# Altium PCB PCB1.PcbDoc (part 1 of 5)
Units mil, origin at the board's own origin, x right, y up, seen from the top; angles counter-clockwise.
Board outline 6250.19 x 5128.14 mil, 2 copper layers (Top Layer, Bottom Layer); 140 components, 0 nets, 729 pads, 141 vias.
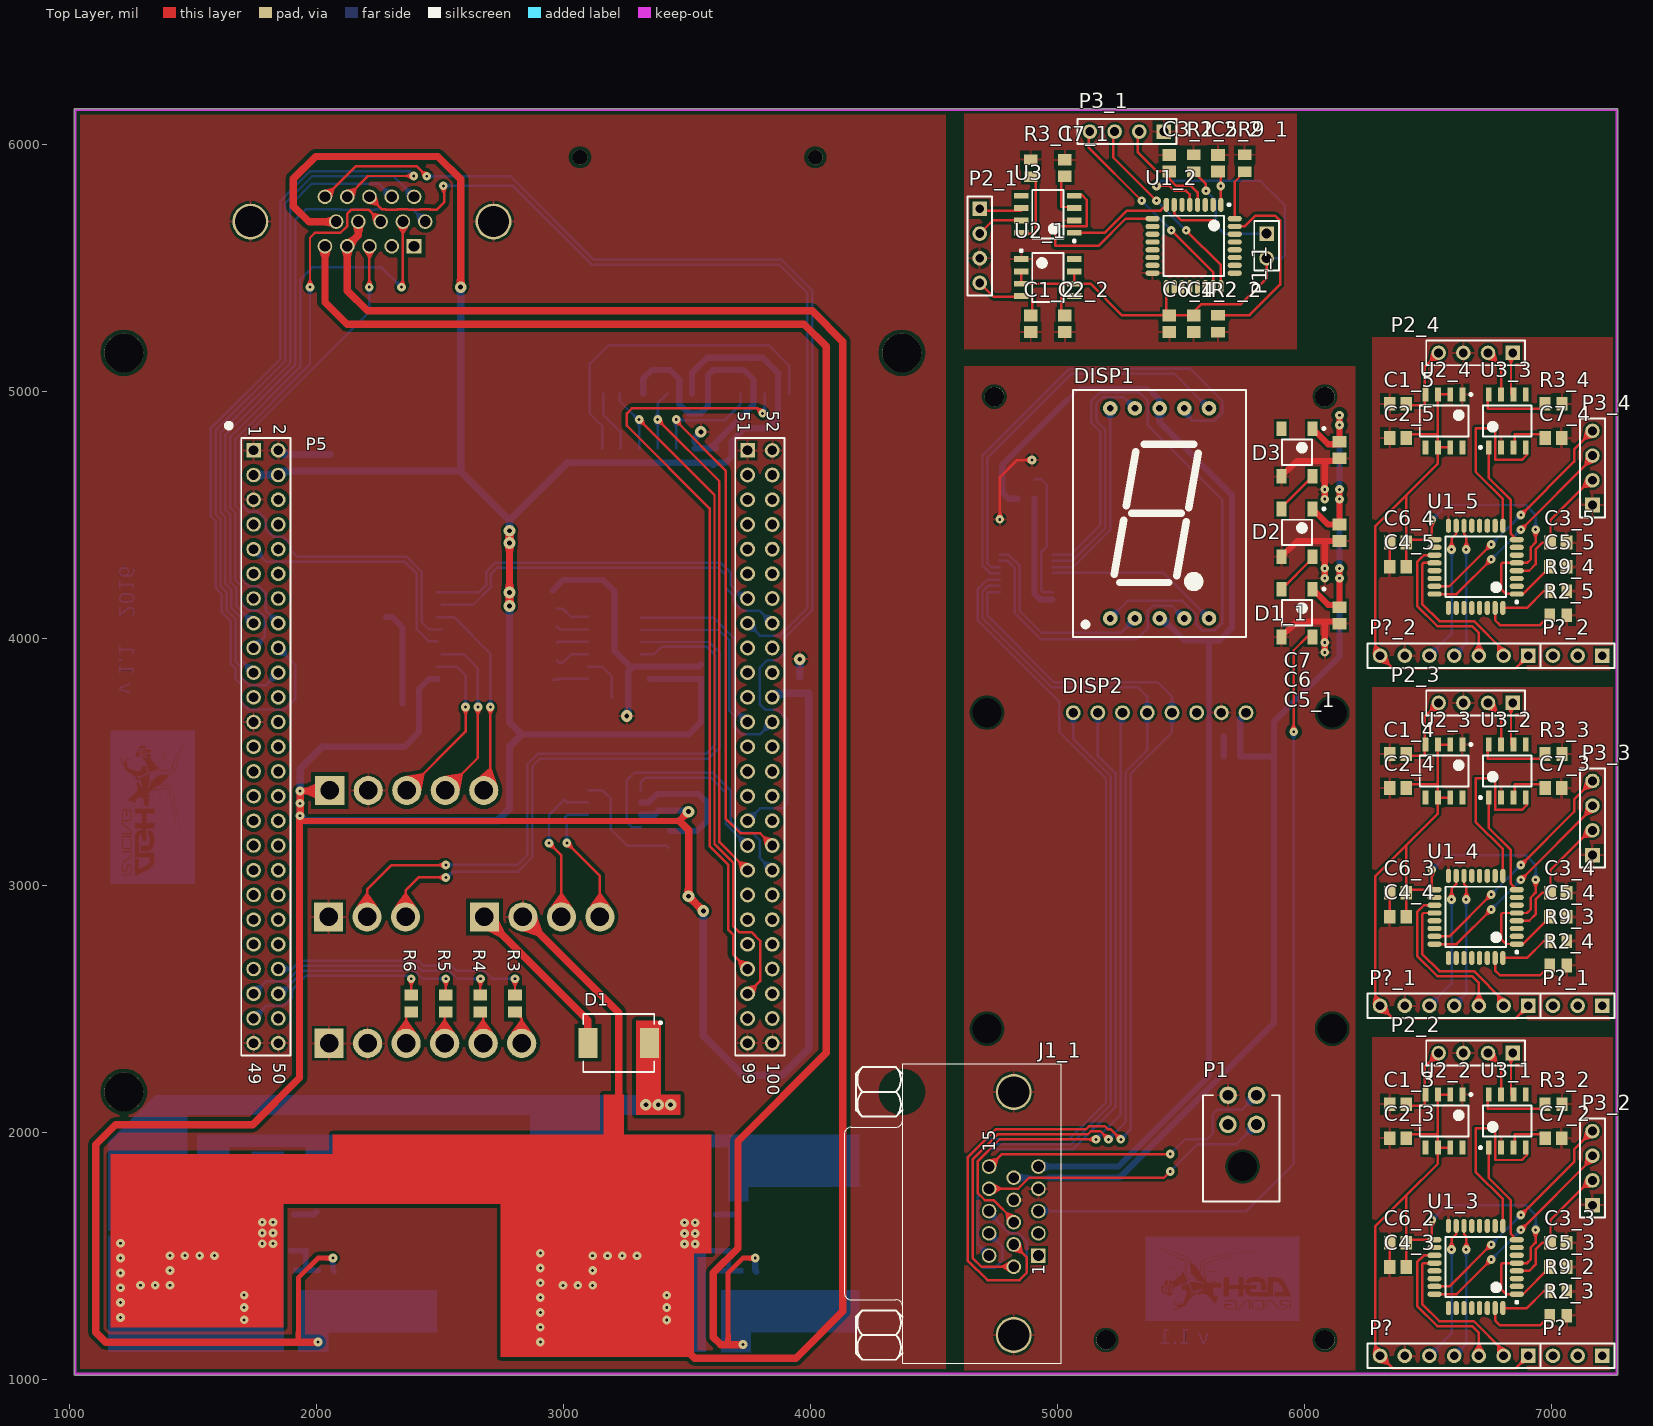
[diagram p0: Top Layer view]
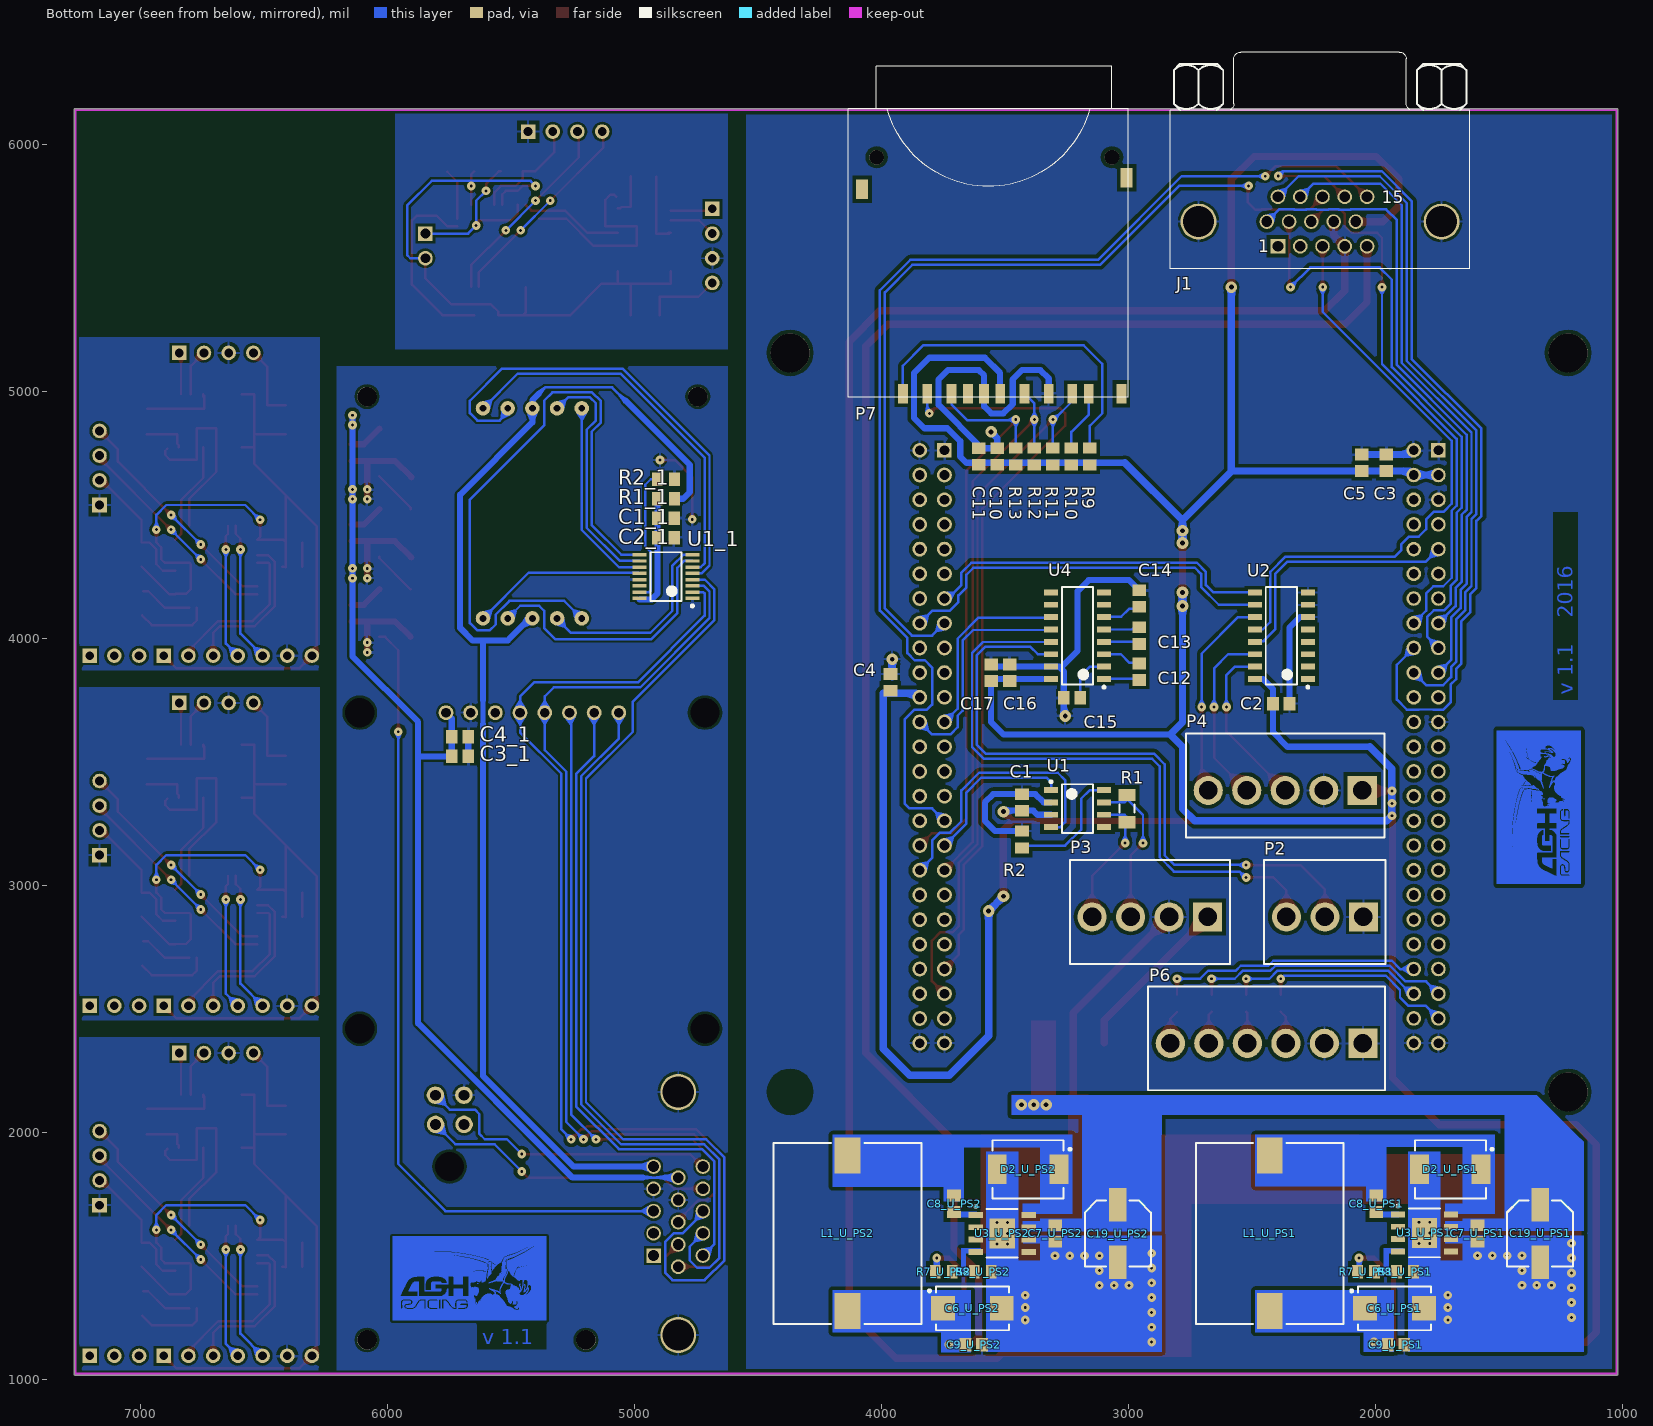
[diagram p1: Bottom Layer view, seen from below]

## Layer stack, top to bottom
Top Solder: solder mask 0.4, Solder Resist, Dk 3.5
Top Layer: signal copper 1.4
Dielectric 1: dielectric 12.6, FR-4, Dk 4.8
Bottom Layer: signal copper 1.4
Bottom Solder: solder mask 0.4, Solder Resist, Dk 3.5

## Board outline
1023.62,1018.61 cw(c1023.62,1023.62) 1018.61,1023.62 1018.61,6141.73 cw(c1023.62,6141.73) 1023.62,6146.75 7263.78,6146.75 cw(c7263.78,6141.73) 7268.79,6141.73 7268.79,1023.62 cw(c7263.78,1023.62) 7263.78,1018.61

## Design rules (kind name [scope] priority, off if disabled: settings)
Clearance [All] p1: gap=10
PolygonConnect [All] p1: connectstyle=Relief reliefconductorwidth=10 reliefentries=4 polygonreliefangle="90 Angle" airgapwidth=10
RoomDefinition U_OLED [InComponentClass('U_OLED')] p1: confinementstyle=ConfineIn formatcopy=TRUE lockcomponents=FALSE outline 4606.3,2204.72 6220.47,2204.72 6220.47,3858.27 4606.3,3858.27
RoomDefinition U_GearDisplay [InComponentClass('U_GearDisplay')] p2: confinementstyle=ConfineIn formatcopy=TRUE lockcomponents=FALSE outline 4622.05,3937.01 5826.77,3937.01 5826.77,5078.74 4622.05,5078.74
RoomDefinition Main [InComponentClass('Main')] p3: confinementstyle=ConfineIn formatcopy=TRUE lockcomponents=FALSE outline 4014.96,1023.62 6101.57,1023.62 6101.57,2352.91 4014.96,2352.91
RoomDefinition U_RGB [InComponentClass('U_RGB')] p4: confinementstyle=ConfineIn formatcopy=TRUE lockcomponents=FALSE outline 6201.93,3866.14 6201.93,5007.52 5846.46,5007.52 5846.46,3866.14
RoomDefinition U_Discovery [InComponentClass('U_Discovery')] p5: confinementstyle=ConfineIn formatcopy=TRUE lockcomponents=FALSE outline 1417.32,2047.24 4173.23,2047.24 4173.23,6181.1 1417.32,6181.1
RoutingVias [All] p1: holewidth=28 width=50 viastyle="Through Hole" minholewidth=28 minwidth=50 maxholewidth=28 maxwidth=50
SolderMaskExpansion [All] p1: expansion=4
Width [All] p1: maxlimit=10 minlimit=10 preferedwidth=10
30 further rules are at their usual default settings.

## Components (designator, comment, footprint, x,y, rotation, side; value= is the part's Value field where it differs from the comment)
C1 "Cap" CAP_0805_IPC_MD 3431.3,3337.6 r270 bottom
C1_1 "Cap" CAP_0805_IPC_MD 4872.83,4488.19 r0 bottom (schematic designator C1)
C1_2 "Cap" CAP_0805_IPC_MD 4891.73,5275.59 r90 top (schematic designator C1)
C1_3 "Cap" CAP_0805_IPC_MD 6377.95,2116.14 r0 top (schematic designator C1)
C1_4 "Cap" CAP_0805_IPC_MD 6377.95,3533.46 r0 top (schematic designator C1)
C1_5 "Cap" CAP_0805_IPC_MD 6377.95,4950.79 r0 top (schematic designator C1)
C2 "Cap" CAP_0805_IPC_MD 2381.3,3737.6 r0 bottom
C2_1 "Cap" CAP_0805_IPC_MD 4872.83,4409.45 r0 bottom (schematic designator C2)
C2_2 "Cap" CAP_0805_IPC_MD 5029.53,5275.59 r90 top (schematic designator C2)
C2_3 "Cap" CAP_0805_IPC_MD 6377.95,1978.35 r0 top (schematic designator C2)
C2_4 "Cap" CAP_0805_IPC_MD 6377.95,3395.67 r0 top (schematic designator C2)
C2_5 "Cap" CAP_0805_IPC_MD 6377.95,4812.99 r0 top (schematic designator C2)
C3 "Cap" CAP_0805_IPC_MD 1956.3,4712.6 r270 bottom
C3_1 "Cap" CAP_0805_IPC_MD 5706.3,3523.62 r0 bottom (schematic designator C3)
C3_2 "Cap" CAP_0805_IPC_MD 5452.76,5925.2 r270 top (schematic designator C3)
C3_3 "Cap" CAP_0805_IPC_MD 7027.56,1555.12 r180 top (schematic designator C3)
C3_4 "Cap" CAP_0805_IPC_MD 7027.56,2972.44 r180 top (schematic designator C3)
C3_5 "Cap" CAP_0805_IPC_MD 7027.56,4389.76 r180 top (schematic designator C3)
C4 "Cap" CAP_0805_IPC_MD 3963.62,3823.62 r270 bottom
C4_1 "Cap" CAP_0805_IPC_MD 5706.3,3603.62 r0 bottom (schematic designator C4)
C4_2 "Cap" CAP_0805_IPC_MD 5551.18,5275.59 r90 top (schematic designator C4)
C4_3 "Cap" CAP_0805_IPC_MD 6377.95,1456.69 r0 top (schematic designator C4)
C4_4 "Cap" CAP_0805_IPC_MD 6377.95,2874.02 r0 top (schematic designator C4)
C4_5 "Cap" CAP_0805_IPC_MD 6377.95,4291.34 r0 top (schematic designator C4)
C5 "Cap" CAP_0805_IPC_MD 2056.3,4712.6 r270 bottom
C5_1 "Cap" CAP_0805_IPC_MD 6141.73,4094.49 r90 top locked (schematic designator C5)
C5_2 "Cap" CAP_0805_IPC_MD 5649.61,5925.2 r270 top (schematic designator C5)
C5_3 "Cap" CAP_0805_IPC_MD 7027.56,1456.69 r180 top (schematic designator C5)
C5_4 "Cap" CAP_0805_IPC_MD 7027.56,2874.02 r180 top (schematic designator C5)
C5_5 "Cap" CAP_0805_IPC_MD 7027.56,4291.34 r180 top (schematic designator C5)
C6 "Cap" CAP_0805_IPC_MD 6141.73,4429.13 r90 top locked
C6_1 "Cap" CAP_0805_IPC_MD 5452.76,5275.59 r90 top (schematic designator C6)
C6_2 "Cap" CAP_0805_IPC_MD 6377.95,1555.12 r0 top (schematic designator C6)
C6_3 "Cap" CAP_0805_IPC_MD 6377.95,2972.44 r0 top (schematic designator C6)
C6_4 "Cap" CAP_0805_IPC_MD 6377.95,4389.76 r0 top (schematic designator C6)
C6_U_PS1 "Cap Pol" CAP_SMD_D_IPC_MD 1923.11,1289.12 r180 bottom (schematic designator C6)
C6_U_PS2 "Cap Pol" CAP_SMD_D_IPC_MD 3632.32,1289.12 r180 bottom (schematic designator C6)
C7 "Cap" CAP_0805_IPC_MD 6141.73,4763.78 r90 top locked
C7_1 "Cap" CAP_0805_IPC_MD 5029.53,5905.51 r270 top (schematic designator C7)
C7_2 "Cap" CAP_0805_IPC_MD 7007.87,1978.35 r180 top (schematic designator C7)
C7_3 "Cap" CAP_0805_IPC_MD 7007.87,3395.67 r180 top (schematic designator C7)
C7_4 "Cap" CAP_0805_IPC_MD 7007.87,4812.99 r180 top (schematic designator C7)
C7_U_PS1 "Cap" CAP_0805_IPC_MD 1587.09,1592.6 r90 bottom (schematic designator C7)
C7_U_PS2 "Cap" CAP_0805_IPC_MD 3296.3,1592.6 r90 bottom (schematic designator C7)
C8_U_PS1 "Cap" CAP_0805_IPC_MD 1997.09,1712.6 r90 bottom (schematic designator C8)
C8_U_PS2 "Cap" CAP_0805_IPC_MD 3706.3,1712.6 r90 bottom (schematic designator C8)
C9_U_PS1 "Cap" CAP_0805_IPC_MD 1917.09,1141.32 r0 bottom (schematic designator C9)
C9_U_PS2 "Cap" CAP_0805_IPC_MD 3626.3,1141.32 r0 bottom (schematic designator C9)
C10 "Cap" CAP_0805_IPC_MD 3531.3,4737.6 r270 bottom
C11 "Cap" CAP_0805_IPC_MD 3606.3,4737.6 r270 bottom
C12 "Cap" CAP_0805_IPC_MD 2956.3,3866.76 r270 bottom
C13 "Cap" CAP_0805_IPC_MD 2956.3,4012.6 r270 bottom
C14 "Cap" CAP_0805_IPC_MD 2956.3,4162.6 r270 bottom
C15 "Cap" CAP_0805_IPC_MD 3228.35,3761.02 r180 bottom
C16 "Cap" CAP_0805_IPC_MD 3481.3,3862.6 r270 bottom
C17 "Cap" CAP_0805_IPC_MD 3556.3,3862.6 r270 bottom
C19_U_PS1 "Cap Pol" CAPAE7866X80M 1333.73,1592.6 r270 bottom (schematic designator C19)
C19_U_PS2 "Cap Pol" CAPAE7866X80M 3042.94,1592.2 r270 bottom (schematic designator C19)
D1 "SK33" DO214AB_IPC_MD 3223.62,2363.62 r0 top
D1_1 "RGB LED" WS2812B 5969.65,4103.78 r270 top locked (schematic designator D1)
D2 "RGB LED" WS2812B 5969.65,4428.78 r270 top locked
D2_U_PS1 "SK33" DO214AB_IPC_MD 1697.09,1851.66 r180 bottom (schematic designator D2)
D2_U_PS2 "SK33" DO214AB_IPC_MD 3406.3,1851.66 r180 bottom (schematic designator D2)
D3 "RGB LED" WS2812B 5969.65,4753.78 r270 top locked
DISP1 "7SEG DISP" 7_SEG_LED_0.8_INCH 5413.39,4507.87 r0 top locked
DISP2 "OLED" OLED_1.3_INCH 5413.39,3700.79 r0 top locked
J1 "D-SUB 15" Dsub-3H15 2224.41,5688.98 r180 bottom
J1_1 "D-SUB 15" Dsub-3H15 4822.83,1673.23 r90 top locked (schematic designator J1)
L1_U_PS1 "Inductor" IND_DL50_IPC_MD 2428.2,1592.6 r270 bottom (schematic designator L1)
L1_U_PS2 "Inductor" IND_DL50_IPC_MD 4137.41,1592.6 r270 bottom (schematic designator L1)
P1 "MOLEX-4" MOLEX_4_PIN 5748.03,2007.87 r0 top locked
P1_1 "Fuel Level Sensor" HDR1X2 5846.46,5590.55 r270 top (schematic designator P1)
P2 "EMU" HDR_1x3_3_94_LOCKING 2204.72,2874.02 r0 bottom locked
P2_1 "CAN" HDR1X4 4685.04,5590.55 r270 top (schematic designator P2)
P2_2 "CAN" HDR1X4 6692.91,2322.83 r180 top (schematic designator P2)
P2_3 "CAN" HDR1X4 6692.91,3740.16 r180 top (schematic designator P2)
P2_4 "CAN" HDR1X4 6692.91,5157.48 r180 top (schematic designator P2)
P3 "CAN" HDR_1x4_3_94_LOCKING 2913.39,2874.02 r0 bottom locked
P3_1 "SWD" HDR1X4 5280.94,6053.54 r180 top (schematic designator P3)
P3_2 "SWD" HDR1X4 7165.91,1856.93 r90 top (schematic designator P3)
P3_3 "SWD" HDR1X4 7165.91,3274.25 r90 top (schematic designator P3)
P3_4 "SWD" HDR1X4 7165.91,4691.57 r90 top (schematic designator P3)
P4 "STEERING WHEEL" HDR_1x5_3_94_LOCKING 2677.17,3385.83 r0 bottom
P5 "STM32F4DISCOVERY" DISCOVERY_F4 2795.28,3562.99 r0 top locked
P6 "CONTROL LEDS" HDR_1x6_3_94_LOCKING 2440.94,2362.2 r0 bottom locked
P7 "SD Card Connector" 693061010911 3543.31,5471.02 r0 bottom locked
P? "Header 3" HDR1X3 7105.91,1096.93 r180 top
P? "Header 7" HDR1X7 6605.91,1096.93 r180 top
P?_1 "Header 3" HDR1X3 7105.91,2514.25 r180 top (schematic designator P?)
P?_1 "Header 7" HDR1X7 6605.91,2514.25 r180 top (schematic designator P?)
P?_2 "Header 3" HDR1X3 7105.91,3931.57 r180 top (schematic designator P?)
P?_2 "Header 7" HDR1X7 6605.91,3931.57 r180 top (schematic designator P?)
R1 "Res" RES_1206_IPC_MD 3006.3,3312.6 r90 bottom
R1_1 "Res" RES_0805_IPC_MD 4872.83,4566.93 r0 bottom (schematic designator R1)
R1_2 "Res" RES_0805_IPC_MD 5551.18,5925.2 r270 top (schematic designator R1)
R2 "Res" RES_0805_IPC_MD 3431.3,3187.6 r270 bottom
R2_1 "Res" RES_0805_IPC_MD 4872.83,4645.67 r180 bottom (schematic designator R2)
R2_2 "Res" RES_0805_IPC_MD 5649.61,5275.59 r90 top (schematic designator R2)
R2_3 "Res" RES_0805_IPC_MD 7027.56,1259.84 r180 top (schematic designator R2)
R2_4 "Res" RES_0805_IPC_MD 7027.56,2677.17 r180 top (schematic designator R2)
R2_5 "Res" RES_0805_IPC_MD 7027.56,4094.49 r180 top (schematic designator R2)
R3 "Res" RES_0805_IPC_MD 2803.62,2523.62 r270 top
R3_1 "Res" RES_0805_IPC_MD 4891.73,5905.51 r270 top (schematic designator R3)
R3_2 "Res" RES_0805_IPC_MD 7007.87,2116.14 r180 top (schematic designator R3)
R3_3 "Res" RES_0805_IPC_MD 7007.87,3533.46 r180 top (schematic designator R3)
R3_4 "Res" RES_0805_IPC_MD 7007.87,4950.79 r180 top (schematic designator R3)
R4 "Res" RES_0805_IPC_MD 2663.62,2523.62 r270 top
R5 "Res" RES_0805_IPC_MD 2523.62,2523.62 r270 top
R6 "Res" RES_0805_IPC_MD 2383.62,2523.62 r270 top
R7_U_PS1 "Res" RES_0805_IPC_MD 2038.27,1436.93 r0 bottom (schematic designator R7)
R7_U_PS2 "Res" RES_0805_IPC_MD 3747.48,1436.93 r0 bottom (schematic designator R7)
R8_U_PS1 "Res" RES_0805_IPC_MD 1880.79,1436.93 r0 bottom (schematic designator R8)
R8_U_PS2 "Res" RES_0805_IPC_MD 3590,1436.93 r0 bottom (schematic designator R8)
R9 "Res" RES_0805_IPC_MD 3156.3,4737.6 r270 bottom
R9_1 "Res" RES_0805_IPC_MD 5757.87,5925.2 r90 top (schematic designator R9)
R9_2 "Res" RES_0805_IPC_MD 7027.56,1358.27 r0 top (schematic designator R9)
R9_3 "Res" RES_0805_IPC_MD 7027.56,2775.59 r0 top (schematic designator R9)
R9_4 "Res" RES_0805_IPC_MD 7027.56,4192.91 r0 top (schematic designator R9)
R10 "Res" RES_0805_IPC_MD 3231.3,4737.6 r270 bottom
R11 "Res" RES_0805_IPC_MD 3306.3,4737.6 r270 bottom
R12 "Res" RES_0805_IPC_MD 3381.3,4737.6 r270 bottom
R13 "Res" RES_0805_IPC_MD 3456.3,4737.6 r270 bottom
U1 "SN65HVD230D" SOIC_8_IPC_MD 3206.3,3312.6 r180 bottom
U1_1 "SCT2167" SSOP_16_IPC_MD 4872.83,4251.97 r0 bottom (schematic designator U1)
U1_2 "STM32F042K6T6" LQFP32_IPS_MD 5551.18,5590.55 r270 top (schematic designator U1)
U1_3 "STM32F042K6T6" LQFP32_IPS_MD 6692.91,1456.69 r180 top (schematic designator U1)
U1_4 "STM32F042K6T6" LQFP32_IPS_MD 6692.91,2874.02 r180 top (schematic designator U1)
U1_5 "STM32F042K6T6" LQFP32_IPS_MD 6692.91,4291.34 r180 top (schematic designator U1)
U2 "CD74HC4052" SO_16_IPC_MD 2381.3,4012.6 r0 bottom
U2_1 "LD1117D33CTR" SOIC_8_IPC_MD 4960.63,5462.6 r0 top (schematic designator U2)
U2_2 "LD1117D33CTR" SOIC_8_IPC_MD 6564.96,2047.24 r270 top (schematic designator U2)
U2_3 "LD1117D33CTR" SOIC_8_IPC_MD 6564.96,3464.57 r270 top (schematic designator U2)
U2_4 "LD1117D33CTR" SOIC_8_IPC_MD 6564.96,4881.89 r270 top (schematic designator U2)
U3 "SN65HVD230D" SOIC_8_IPC_MD 4960.63,5718.5 r180 top
U3_1 "SN65HVD230D" SOIC_8_IPC_MD 6820.87,2047.24 r90 top (schematic designator U3)
U3_2 "SN65HVD230D" SOIC_8_IPC_MD 6820.87,3464.57 r90 top (schematic designator U3)
U3_3 "SN65HVD230D" SOIC_8_IPC_MD 6820.87,4881.89 r90 top (schematic designator U3)
U3_U_PS1 "TPS5430" SOIC_8_THERMAL_PAD_IPC_MD 1802.05,1594.41 r180 bottom (schematic designator U3)
U3_U_PS2 "TPS5430" SOIC_8_THERMAL_PAD_IPC_MD 3511.3,1592.6 r180 bottom (schematic designator U3)
U4 "MAX232IDW" SO_16_IPC_MD 3206.3,4012.6 r0 bottom

## Footprints (in the part's own frame and the unit in brackets; to place one, negate y for a bottom-side part, rotate by r counter-clockwise, add the part's x,y. Pads: shape width x height; smd on the part's side, far side on the other; paste and mask are expansions set on the pad)
7_SEG_LED_0.8_INCH [mm] "OPTO PLUS LED CORP. OPD-S8023LB-BW"
  round 1.5 hole 0.7: 1(-5.08,-10.8) 2(-2.54,-10.8) 3(0,-10.8) 4(2.54,-10.8) 5(5.08,-10.8) 6(5.08,10.8) 7(2.54,10.8) 8(0,10.8) 9(-2.54,10.8) 10(-5.08,10.8)
  silkscreen extent -8.89,-12.7 8.89,12.7, body extent -10,-13.85 10,13.85, height 12.5
693061010911 [mm] "WR-CRD SD_Push and Push_with card detection_9 pins"
  rect 1x2 smd: 1(6.9,12.155) 2(4.4,12.155) 3(1.05,12.155) 4(-0.6,12.155) 5(-3.1,12.155) 6(-5.6,12.155) 7(-8.02,12.155) 8(-9.72,12.155) 9(9.4,12.155) CD(2.7,12.155) WP(-13.07,12.155)
  rect 1.2x2 smd: Z1(-13.6,-10.055) Z2(13.6,-8.855)
  round 1.5 hole 1.5 unplated: ""(-12.1,-12.155) ""(12.1,-12.155)
  silkscreen extent -13.77,-21.5 15.03,12.54, body extent -13.8,-17.16 15,12.74, height 3.06
CAP_0805_IPC_MD [mm] "Chip Capacitor, 2-Leads, 0805, SAMSUNG, IPC Medium Density"
  rect 1.2x1.4 smd: 1(-0.85,0) 2(0.85,0)
  body extent -1.05,-0.67 1.05,0.67, height 1.35
CAP_SMD_D_IPC_MD [mm] "Capacitor SMD D, IPC Medium Density"
  rect 2.45x2.5 smd: 1(-3.025,0) 2(3.025,0)
  silkscreen extent -4.53,-2.25 3.75,2.25, body extent -3.97,-2.25 3.97,2.25, height 3.1
CAPAE7866X80M [mm] "Aluminum Electrolytic Capacitor, Body 6,60x6,60x8,00mm, IPC Low Density"
  rect 3.45x1.8 smd: 1(-2.95,0) 2(2.95,0)
  silkscreen extent -3.4,-3.4 3.4,3.4, body extent -3.9,-3.4 3.9,3.4, height 8
DISCOVERY_F4 [mm] "Connector; Header; 25x2 Position"
  rect 1.5x1.5 hole 1: 1(-26.67,30.48) 51(24.13,30.48)
  round 1.5 hole 1: 2(-24.13,30.48) 3(-26.67,27.94) 4(-24.13,27.94) 5(-26.67,25.4) 6(-24.13,25.4) 7(-26.67,22.86) 8(-24.13,22.86) 9(-26.67,20.32) 10(-24.13,20.32) 11(-26.67,17.78) 12(-24.13,17.78) 13(-26.67,15.24) 14(-24.13,15.24) 15(-26.67,12.7) 16(-24.13,12.7) 17(-26.67,10.16) 18(-24.13,10.16) 19(-26.67,7.62) 20(-24.13,7.62) 21(-26.67,5.08) 22(-24.13,5.08) 23(-26.67,2.54) 24(-24.13,2.54) 25(-26.67,0) 26(-24.13,0) 27(-26.67,-2.54) 28(-24.13,-2.54) 29(-26.67,-5.08) 30(-24.13,-5.08) 31(-26.67,-7.62) 32(-24.13,-7.62) 33(-26.67,-10.16) 34(-24.13,-10.16) 35(-26.67,-12.7) 36(-24.13,-12.7) 37(-26.67,-15.24) 38(-24.13,-15.24) 39(-26.67,-17.78) 40(-24.13,-17.78) 41(-26.67,-20.32) 42(-24.13,-20.32) 43(-26.67,-22.86) 44(-24.13,-22.86) 45(-26.67,-25.4) 46(-24.13,-25.4) 47(-26.67,-27.94) 48(-24.13,-27.94) 49(-26.67,-30.48) 50(-24.13,-30.48) 52(26.67,30.48)
  round 1.524 hole 1: 53(24.13,27.94) 54(26.67,27.94) 55(24.13,25.4) 56(26.67,25.4) 57(24.13,22.86) 58(26.67,22.86) 59(24.13,20.32) 60(26.67,20.32) 61(24.13,17.78) 62(26.67,17.78) 63(24.13,15.24) 64(26.67,15.24) 65(24.13,12.7) 66(26.67,12.7) 67(24.13,10.16) 68(26.67,10.16) 69(24.13,7.62) 70(26.67,7.62) 71(24.13,5.08) 72(26.67,5.08) 73(24.13,2.54) 74(26.67,2.54) 75(24.13,0) 76(26.67,0) 77(24.13,-2.54) 78(26.67,-2.54) 79(24.13,-5.08) 80(26.67,-5.08) 81(24.13,-7.62) 82(26.67,-7.62) 83(24.13,-10.16) 84(26.67,-10.16) 85(24.13,-12.7) 86(26.67,-12.7) 87(24.13,-15.24) 88(26.67,-15.24) 89(24.13,-17.78) 90(26.67,-17.78) 91(24.13,-20.32) 92(26.67,-20.32) 93(24.13,-22.86) 94(26.67,-22.86) 95(24.13,-25.4) 96(26.67,-25.4) 97(24.13,-27.94) 98(26.67,-27.94) 99(24.13,-30.48) 100(26.67,-30.48)
  silkscreen extent -29.46,-31.75 27.94,33.27, body extent -32.77,-36.99 32.73,65.58, height 17.5
DO214AB_IPC_MD [mm] "Molded Diode, DO214AB, Diotec Semiconductor, IPC Medium Density"
  rect 1.95x3.05 smd: 1(-3.175,0) 2(3.175,0)
  silkscreen extent -3.65,-3 4.43,3, body extent -3.85,-3 3.84,3, height 2.5
Dsub-3H15 [mm] "Dsub 15 pins, right angled"
  rect 1.5x1.5 hole 1.1: 1(-4.33,-2.54)
  round 1.5 hole 1.1: 2(-2.04,-2.54) 3(0.25,-2.54) 4(2.54,-2.54) 5(4.83,-2.54) 6(-5.475,0) 7(-3.185,0) 8(-0.895,0) 9(1.395,0) 10(3.685,0) 11(-4.33,2.54) 12(-2.04,2.54) 13(0.25,2.54) 14(2.54,2.54) 15(4.83,2.54)
  round 3.7 hole 3.2: 16(12.5,0) 17(-12.5,0)
  silkscreen extent -15.4,-4.87 15.4,17.43, body extent -15.4,-4.86 15.4,17.44, height 12.51
HDR1X2 [mm] "Connector; Header; 2 Position"
  rect 1.5x1.5 hole 1: 1(-1.27,0)
  round 1.5 hole 1: 2(1.27,0)
  silkscreen extent -2.54,-1.27 2.54,1.27, body extent -2.54,-1.27 2.54,1.27, height 8.6
HDR1X3 [mm] "Connector; Header; 3 Position"
  rect 1.5x1.5 hole 0.9: 1(-2.54,0)
  round 1.5 hole 0.9: 2(0,0) 3(2.54,0)
  silkscreen extent -3.81,-1.27 3.81,1.27, body extent -3.81,-1.27 3.81,1.27, height 8.6
HDR1X4 [mm] "Connector; Header; 4 Position"
  rect 1.5x1.5 hole 0.9: 1(-3.81,0)
  round 1.5 hole 0.9: 2(-1.27,0) 3(1.27,0) 4(3.81,0)